# Altium PCB ALTAIR_PD_Soldier_V26.1a.PcbDoc (part 2 of 2) (continued)
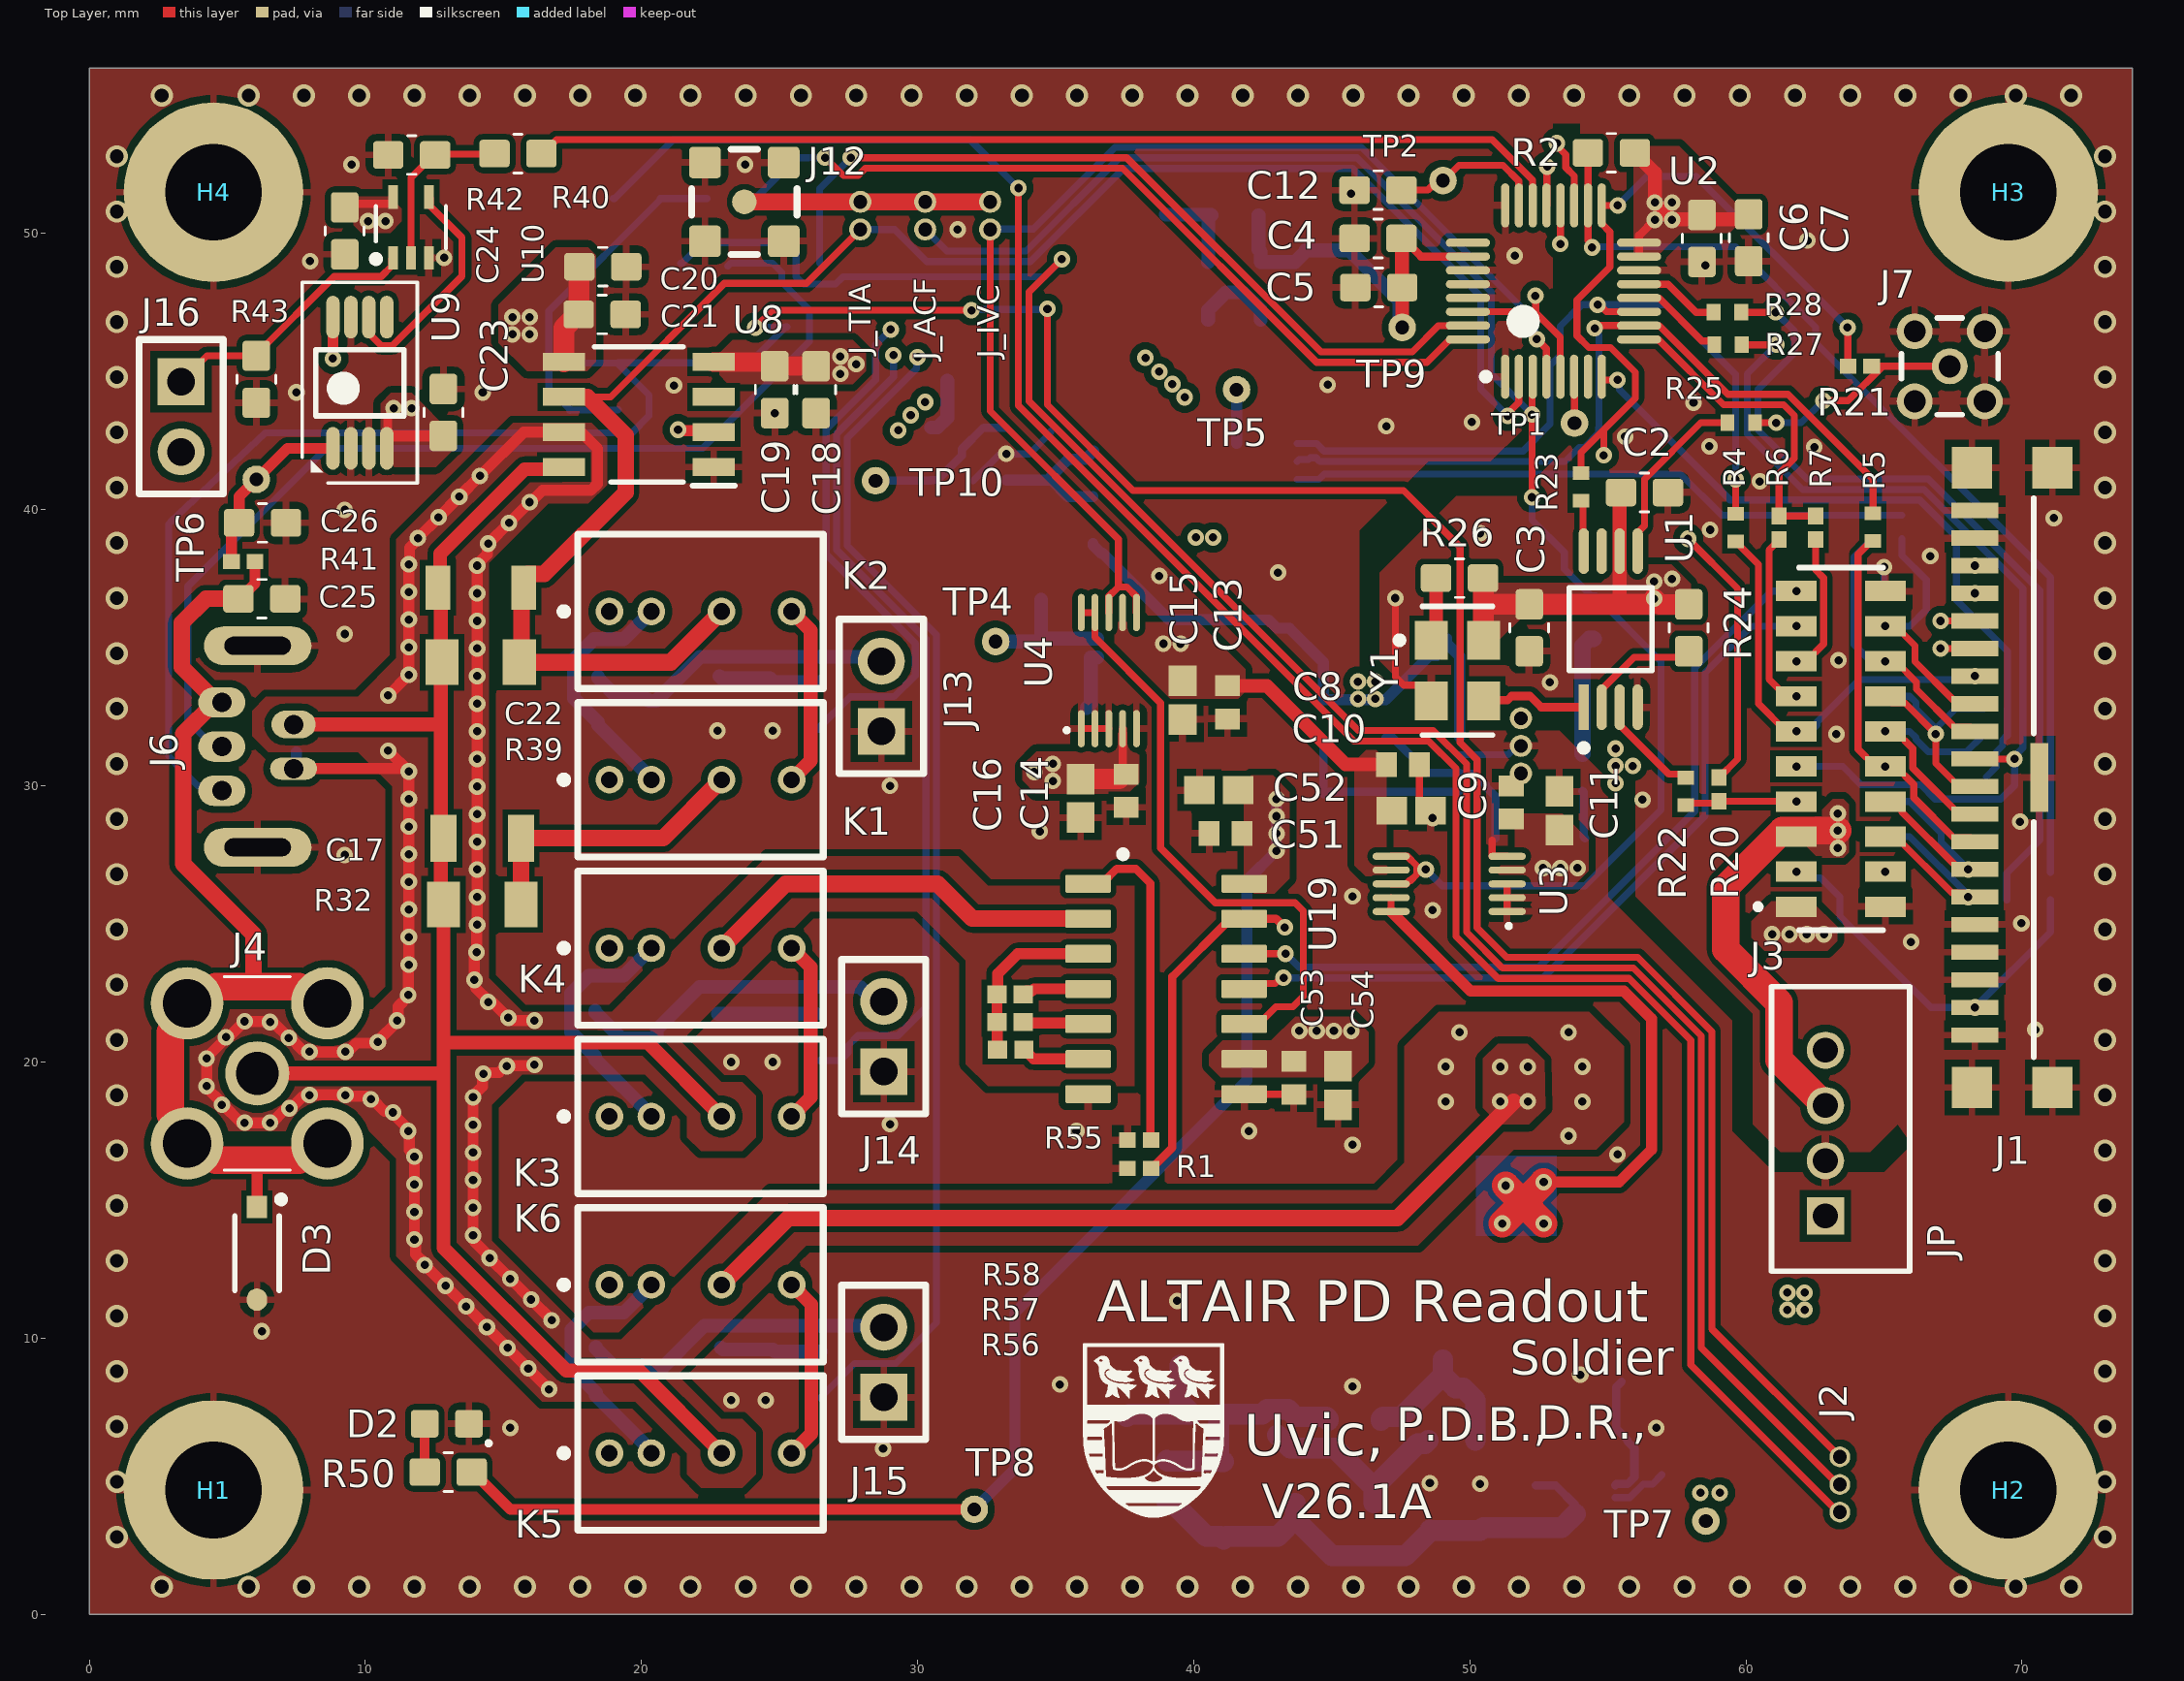
[diagram p0: Top Layer view]
## Nets (pads, with @x,y where several pads share a name; then routed paths per layer and width w, separated by ;. In a path a pad name is that pad's centre, name@x,y a point inside that pad or via, vN(x,y) a via of type N, cw(c..) or ccw(c..) an arc to the next point about the centre after c; other vN are vias at no path point) (continued)
NetR26_1: R26.1 Y1.1 | length 2.3
  Top Layer w0.254: Y1.1@48.6,35.275 Y1.1@48.775,35.45 ; R26.1@48.725,37.475 R26.1@48.775,37.425
  Top Layer w0.5: Y1.1@48.775,35.45 R26.1@48.775,37.425
NetR27_1: R27.1 U2.12 | length 3.4
  Top Layer w0.254: U2.12@56.129,47.671 56.138,47.662 56.859,47.662 58.408,46.114 58.727,46.114 58.85,45.991 R27.1@58.85,45.975
NetR28_1: R28.1 U2.13 | length 3.1
  Top Layer w0.254: U2.13@56.129,48.171 56.138,48.162 57.182,48.162 58.194,47.15 R28.1@58.825,47.15
NetR30_1: R30.1 R31.1 U5.1 | length 3.7
  Bottom Layer w0.5: U5.1@22.825,33.975 22.9,33.9 24.65,33.9 R31.1@24.8,33.75 R30.1@26.425,33.75
NetR30_2: R30.2 U2.19 | length 56.9
  Top Layer w0.254: v1(53.15,53.275) 53.15,53.181 53.471,52.86 53.471,52.393 53.779,52.085 U2.19@53.779,51.021
  Layer 1 w0.254: v1(29.025,46.525) 29.075,46.575 36.253,46.575 39.903,42.925 44.225,42.925 46.75,45.45 52.615,45.45 53.072,45.907 53.072,48.84 52.153,49.759 52.153,52.693 52.669,53.209 53.084,53.209 v1(53.15,53.275)
  Bottom Layer w0.254: R30.2@26.425,32.05 26.425,32.1 27.563,33.238 29.154,33.238 29.919,34.003 29.919,35.156 26.688,38.387 26.688,42.916 28.477,44.704 28.477,45.98 29.022,46.525 v1(29.025,46.525)
NetR34_1: R34.1 R35.1 U6.1 | length 3.5
  Bottom Layer w0.5: U6.1@22.775,21.75 24.675,21.75 R34.1@26.3,21.75
NetR34_2: R34.2 U2.20 | length 63.5
  Top Layer w0.254: v1(53.275,49.625) 53.277,49.627 53.277,51.019 U2.20@53.279,51.021
  Layer 1 w0.254: v1(29.125,45.6) 29.125,45.645 29.674,46.194 36.095,46.194 39.745,42.544 44.383,42.544 46.908,45.069 52.773,45.069 53.453,45.749 53.453,48.998 53.341,49.11 53.341,49.559 v1(53.275,49.625)
  Bottom Layer w0.254: R34.2@26.325,20.05 27.206,20.05 27.487,20.331 27.487,20.6 27.845,20.959 29.285,20.959 30.3,21.974 30.3,35.314 27.069,38.545 27.069,42.758 29.125,44.814 v1(29.125,45.6)
NetR37_1: R37.1 R38.1 U7.1 | length 3.7
  Bottom Layer w0.5: U7.1@22.875,9.65 22.937,9.588 24.762,9.588 R38.1@24.825,9.525 R37.1@26.5,9.525
NetR37_2: R37.2 U2.21 | length 79.3
  Top Layer w0.254: U2.21@52.779,51.021 52.788,51.03 52.788,52.413 v1(52.8,52.425)
  Layer 1 w0.254: v1(30,45.525) 30.034,45.525 30.322,45.813 35.937,45.813 39.587,42.163 44.541,42.163 47.066,44.688 52.931,44.688 53.834,45.591 53.834,47.549 55.072,48.787 55.072,50.153 v1(52.8,52.425)
  Bottom Layer w0.254: R37.2@26.5,7.825 26.5,7.875 27.711,9.086 29.207,9.086 30.681,10.56 30.681,35.472 27.45,38.703 27.45,42.6 29.96,45.11 29.96,45.485 v1(30,45.525)
NetR40_1: R40.1 R42.1 U10.2 | length 6.3
  Top Layer w0.254: U10.2@11.65,49.125 11.65,52.025 12.475,52.85 R42.1@12.525,52.85 12.55,52.875 14.65,52.875 R40.1@14.675,52.9
NetR40_2: R40.2 U2.22 | length 37.6
  Top Layer w0.254: R40.2@16.375,52.9 16.425,52.9 16.929,53.404 50.81,53.404 52.27,51.944 52.27,51.03 U2.22@52.279,51.021
NetR48_1: R48.1 R52.2 U13.7 | length 6.7
  Bottom Layer w0.3: R48.1@44.7,31.425 R52.2@44.7,29.7 44.787,29.787 49.587,29.787 U13.7@49.625,29.825
NetR49_1: R49.1 R51.2 U14.4 | length 3.4
  Bottom Layer w0.5: R51.2@38.996,50.696 39.008,50.684 40.633,50.684 R49.1@40.646,50.671 40.527,50.552 40.527,48.978 U14.4@40.521,48.971
NetR54_2: R54.2 U13.6 | length 1.8
  Bottom Layer w0.3: U13.6@54.075,29.825 54.125,29.775 54.125,28.15 R54.2@54.175,28.1
NetR55_1: R55.1 U19.1 | length 12
  Top Layer w0.3: U19.1@36.175,26.46 36.675,26.46 37.215,27 37.9,27 38.425,26.475 R55.1@38.425,17.175
NetR56_1: R56.1 R57.1 R58.1 U19.3 | length 6.3
  Top Layer w0.4: R58.1@32.875,22.45 R57.1@32.875,21.446 32.888,21.433 32.888,20.453 R56.1@32.9,20.441 ; R58.1@32.899,22.45 32.899,23.199 33.62,23.92 U19.3@36.175,23.92
NetR56_2: R56.2 U19.6 | length 2.5
  Top Layer w0.4: R56.2@33.85,20.441 33.875,20.441 34.206,20.11 U19.6@36.175,20.11
NetR57_2: R57.2 U19.5 | length 2.4
  Top Layer w0.4: R57.2@33.825,21.446 33.858,21.413 36.142,21.413 U19.5@36.175,21.38
NetR58_2: R58.2 U19.4 | length 2.4
  Top Layer w0.4: R58.2@33.825,22.45 33.95,22.575 34.134,22.575 34.209,22.65 U19.4@36.175,22.65
NetTP1_1: TP1.1 U2.6 | length 1.8
  Top Layer w0.254: U2.6@53.779,44.821 53.788,44.812 TP1.1@53.788,43.137 53.788,43.112 TP1.1@53.825,43.075
NetU1_1: U1.1 Y1.3 | length 3.9
  Top Layer w0.3: Y1.3@50.5,33.075 50.536,33.111 51.374,33.111 51.517,33.254 52.183,33.254 52.587,32.85 U1.1@54.125,32.85
NetU4_9: U4.9 U4.10 U19.10 | length 21.8
  Top Layer w0.254: U4.10@35.925,36.275 U4.9@36.425,36.275 36.425,35.375 38.8,33 38.8,27.75 40.781,25.769 43.671,25.769 43.972,25.468 43.972,22.382 43.593,22.003 42.978,22.003 42.553,21.578 42.023,21.578 U19.10@41.825,21.38
NetU9_6: U9.6 U10.4 | length 8.5
  Top Layer w0.254: U9.6@10.125,46.975 10.125,46.391 10.57,45.946 10.98,45.946 13.5,48.466 13.5,49.85 12.348,51.002 12.348,51.277 U10.4@12.3,51.325
PD_A: C17.1 C22.1 J4.1 J6.2 K3.3 K5.3 R32.1 R39.1 U8.8 | length 67.5
  Top Layer w0.5: J4.1@6.085,19.59 12.729,19.59 12.832,19.487 ; J6.2@7.4,32.225 12.732,32.225 ; U8.8@17.188,41.545 17.113,41.47 15.77,41.47 12.708,38.408 12.708,37.25 C22.1@12.632,37.174 12.732,37.074 12.732,34.475 12.732,32.225 ; K5.3@22.898,5.837 19.91,8.825 17.275,8.825 12.832,13.268 12.832,19.487 ; K3.3@22.898,18.029 20.227,20.7 12.832,20.7 ; 12.732,32.225 12.732,25.805 R32.1@12.832,25.705 12.832,20.7 ; 12.832,19.487 12.832,20.7
PD_K: C25.2 D3.1 J4.2 J4.3 J4.4 J4.5 J6.1 R41.2 | length 38.1
  Top Layer w0.4: C25.2@5.45,36.775 6,37.325 R41.2@6,38.125 ; D3.1@6.075,14.755 6.075,16.44
  Top Layer w0.6: C25.2@5.4,36.775 4.225,36.775 3.35,35.9 3.35,34.31 4.635,33.025 J6.1@4.8,33.025 4.539,33.025 3.396,31.882 3.396,27.179 5.95,24.625 5.95,22.725
  Top Layer w1: 6.075,16.44 6.085,16.45 ; J4.3@8.625,17.05 8.185,17.05 7.585,16.45 6.085,16.45 ; J4.2@8.625,22.13 8.185,22.13 7.59,22.725 5.95,22.725 4.58,22.725 3.985,22.13 J4.4@3.545,22.13 3.545,21.69 2.935,21.08 2.935,18.1 3.545,17.49 J4.5@3.545,17.05 3.985,17.05 4.585,16.45 6.085,16.45
SPI_MISO: J1.10 J3.09 J5.12 R27.2 | length 34.5
  Top Layer w0.254: R27.2@59.85,45.975 v1(61.1,45.975) ; J1.10@68.291,30.975 v1(69.725,30.975)
  Bottom Layer w0.254: v1(61.1,45.975) 60.05,44.925 60.05,42.736 62.051,40.735 66.446,40.735 70.029,37.152 70.029,31.373 69.725,31.069 v1(69.725,30.975) 69.725,30.014 69.232,29.521 66.852,29.521 66.334,30.039 64.168,30.039 63.502,30.705 v1(61.824,30.705)
SPI_MOSI: J1.13 J3.10 J5.11 R5.1 | length 13.7
  Top Layer w0.254: R5.1@64.6,38.875 64.55,38.875 64.059,38.384 64.059,31.327 64.682,30.705 65.418,30.705 66.075,30.048 66.075,29.575 67.527,28.123 68.143,28.123 J1.13@68.291,27.975
  other v1: 65.05,30.705
SPI_SCLK: J1.7 J3.11 J5.10 R4.1 | length 15.4
  Top Layer w0.254: R4.1@59.625,38.85 59.675,38.85 59.798,38.727 59.798,38.677 60.453,38.022 60.453,32.978 61.456,31.975 v1(61.824,31.975)
  Bottom Layer w0.254: v1(61.824,31.975) 62.35,31.975 62.573,32.198 62.573,32.316 64.106,33.849 68.071,33.849 68.197,33.975 v1(68.291,33.975)
STRT1: J1.12 J3.12 J5.9 R17.1 | length 9
  Top Layer w0.254: v1(65.05,31.975) 65.418,31.975 66.041,31.353 66.041,30.651 67.716,28.975 J1.12@68.291,28.975
  Bottom Layer w0.254: v1(65.05,31.975) 65.93,31.975 66.153,31.752 66.153,31.686 66.607,31.232 67.982,31.232 68.575,31.825 R17.1@68.6,31.825
STRT2: J1.11 J3.14 J5.7 R18.1 | length 9.2
  Top Layer w0.254: J3.14@65.05,33.245 65.291,33.004 65.75,33.004 v1(66.875,31.879) 66.875,30.816 J1.11@67.716,29.975
  Bottom Layer w0.254: J5.7@65.22,33.245 65.93,33.245 66.153,33.022 66.153,32.797 v1@66.875,32.075 ; v1(66.875,31.879) v1@66.875,32.075 ; R18.1@68.625,32.8 67.6,32.8 v1@66.875,32.075
SYS_DVDD: C2.2 C3.2 C6.2 C7.2 J3.05 J5.16 JP.3 R2.1 R24.2 R26.2 U1.6 U2.15 U2.16 Y1.4 | length 51
  Top Layer w0.3: U2.15@56.129,49.171 56.129,49.929 v1(56.7,50.5)
  Top Layer w0.5: 55.425,36.575 U1.6@55.425,38.5 55.425,40.575 C2.2@55.475,40.625 ; R2.1@55.975,52.925 56.025,52.925 56.275,52.675 56.275,52.625 56.7,52.2 v1(56.7,51.125) v1(57.325,50.5) 57.344,50.519 59.919,50.519 C7.2@60.1,50.7 ; v1(56.7,50.5) v1(57.325,51.125)
  Top Layer w0.75: R26.2@50.475,37.525 50.488,37.512 50.488,36.4 ; Y1.4@50.5,35.275 50.488,35.287 50.488,36.4 ; R24.2@57.925,36.575 57.921,36.571 56.879,36.571 v1(56.675,36.775) 56.475,36.575 55.425,36.575 C3.2@52.15,36.575 50.663,36.575 50.488,36.4
  Top Layer w1: JP.3@62.875,18.425 62.854,18.425 61.2,20.079 61.2,22.15 59.275,24.075 59.275,26.338 61.312,28.375 v1(63.325,28.375)
  Layer 2 w1: v1(56.675,37.4) v1(56.675,36.775) 56.675,32.675 60.935,28.415 63.285,28.415 v1(63.325,28.375) ; v1(63.325,27.75) v1(63.325,29)
  other v1: 57.325,37.5
SYS_GND: C2.1 C3.1 C4.1 C5.1 C6.1 C7.1 C8.1 C9.1 C10.1 C11.1 C12.1 C13.1 C14.1 C15.1 C16.1 C18.1 C19.1 C20.1 C21.1 C23.1 C24.1 C25.1 C26.1 C28.2 C30.2 C31.1 C32.2 C33.2 C34.2 C35.1 C36.1 C37.1 C38.1 C39.1 C40.1 C41.1 C42.1 C43.1 C44.1 C45.1 C46.1 C47.1 C48.1 C49.1 C50.1 C51.1 C52.1 C53.1 C54.1 D1.1 D2.1 D3.2 H1.1 H2.1 H3.1 H4.1 J1.1 J1.2 J1.16 J1.17 J1.18 J1.20 J1.MP1 J1.MP2 J1.MP3 J1.MP4 J1.MP5 J3.02 J3.20 J5.1 J5.19 J6.6 J7.2 J7.3 J7.4 J7.5 J12.2 J13.1 J14.1 J15.1 JP.2 R1.1 R14.2 R19.2 R31.2 R35.2 R38.2 R42.2 R43.2 R45.2 R47.1 R51.1 R52.1 R53.1 R54.1 R55.2 R60.1 U1.4 U2.1 U2.14 U2.24 U2.27 U2.28 U2.29 U3.1 U3.2 U3.3 U3.5 U4.1 U4.2 U4.3 U4.5 U5.2 U6.2 U7.2 U8.1 U9.2 U9.3 U9.7 U10.3 U11.6 U11.9 U12.2 U13.9 U13.13 U14.2 U15.2 U16.4 U17.5 U19.7 U19.8 Y1.2 | length 20.3
  Top Layer w0.254: U4.1@35.925,32.075 U4.3@36.925,32.075 ; U19.8@41.825,18.84 41.832,18.833 43.617,18.833 C53.1@43.625,18.825 ; v1(47.3,36.8) 47.3,33.95 47.602,33.648 48.127,33.648 48.6,33.175 Y1.2@48.6,33.075 ; C8.1@48.175,30.775 48.175,29.476 48.551,29.1 C10.1@48.576,29.1 ; 50.802,28.044 50.802,27.452 50.804,27.45 U3.5@51.35,27.45 ; U3.1@51.35,25.45 U3.3@51.35,26.45
  Bottom Layer w0.254: 32.005,41.05 32.98,42.025 v1(33.215,42.025) 34.05,42.025 34.825,42.8 C40.1@34.825,42.85 ; U13.9@49.625,31.125 51.377,31.125 51.702,31.45 U13.13@51.85,31.45 ; U11.9@55.266,4.225 55.79,4.225 56.279,4.714 56.614,4.714 C28.2@56.95,5.05 ; v1(65,37.925) 65,37.275 J5.1@65.22,37.055
  other v1: 50.375,4.725 48.55,4.75 28.75,6 15.25,6.75 56.75,6.75 23.25,7.75 24.5,7.75 45.75,8.25 35.15,8.325 54,8.675 6.25,10.25 39.4,11.35 55.35,16.65 45.75,17 35.75,17.5 42,17.5 29,17.75 23.25,20 24.75,20 70.475,21.175 65.975,24.35 69.975,25.025 48.65,25.5 45.75,26 9.25,27.5 34.425,28.35 69.925,28.7 48.652,28.832 56.25,29.5 29,30 63.275,31.875 22.75,32 24.75,32 52.9,33.75 63.35,34.55 9.25,35.5 38.75,37.6 43.05,37.725 66.675,38.325 50.375,39.15 58.7,39.275 71.15,39.7 9.25,40 60.5,41.025 62.475,42.275 58.675,42.3 55.625,42.65 46.975,43.025 50.075,43.175 24.825,43.5 58.1,43.875 7.5,44.25 14.25,44.25 21.175,44.5 44.85,44.525 58.527,48.848 8,49 12.85,49.125 51.625,49.2 62.225,49.75 31.45,50.15 45.698,51.448 9.5,52.5 23.75,52.5
  other v2: 2.625,1 5.775,1 7.775,1 9.775,1 11.775,1 13.775,1 15.775,1 17.775,1 19.775,1 21.775,1 23.775,1 25.775,1 27.775,1 29.775,1 31.775,1 33.775,1 35.775,1 37.775,1 39.775,1 41.775,1 43.775,1 45.775,1 47.775,1 49.775,1 51.775,1 53.775,1 55.775,1 57.775,1 59.775,1 61.775,1 63.775,1 65.775,1 67.775,1 69.775,1 71.775,1 1,2.8 73,2.8 1,4.8 73,4.8 1,6.8 73,6.8 1,8.8 73,8.8 1,10.8 73,10.8 1,12.8 73,12.8 1,14.8 73,14.8 1,16.8 73,16.8 1,18.8 73,18.8 1,20.8 73,20.8 1,22.8 73,22.8 1,24.8 73,24.8 1,26.8 73,26.8 1,28.8 73,28.8 1,30.8 73,30.8 1,32.8 73,32.8 1,34.8 73,34.8 1,36.8 73,36.8 1,38.8 73,38.8 1,40.8 73,40.8 1,42.8 73,42.8 1,44.8 73,44.8 1,46.8 73,46.8 1,48.8 73,48.8 1,50.8 73,50.8 1,52.8 73,52.8 2.625,55 5.775,55 7.775,55 9.775,55 11.775,55 13.775,55 15.775,55 17.775,55 19.775,55 21.775,55 23.775,55 25.775,55 27.775,55 29.775,55 31.775,55 33.775,55 35.775,55 37.775,55 39.775,55 41.775,55 43.775,55 45.775,55 47.775,55 49.775,55 51.775,55 53.775,55 55.775,55 57.775,55 59.775,55 61.775,55 63.775,55 65.775,55 67.775,55 69.775,55 71.775,55
SYS_VBAT: C31.2 C43.2 C44.2 J3.01 J5.20 JP.1 L1.1 U12.4 U12.5 U13.1 U13.2 U13.3 U13.4 | length 4.4
  Bottom Layer w0.6: U13.4@54.075,31.175 U13.3@54.075,31.775 U13.2@54.075,32.425 U13.1@54.075,33.075 54.075,35.075 54.325,35.325 C44.2@54.475,35.325
  other v1: 61.5,11.025 62.125,11.025 61.5,11.65 62.125,11.65 60.95,24.625 61.575,24.625 62.2,24.625 62.825,24.625 55.275,30.1 55.275,30.725 55.9,30.725 55.275,31.35
TMP_COM: C1.1 J2.3 J6.5 NTC1.1 R14.1 | length 114.6
  Top Layer w0.254: v1(24.125,46.6) 24.75,47.225 v1(31.95,47.225) ; v1(34.7,47.275) 34.7,43.803 37.803,40.7 47.6,40.7 49.646,38.654 49.646,31.566 50.262,30.95 50.262,24.866 51.337,23.791 56.079,23.791 58.762,21.108 58.762,10.338 J2.3@63.4,5.7
  Bottom Layer w0.254: J6.5@4.8,29.825 4.638,29.987 3.947,29.987 3.15,30.783 3.15,30.8 2.875,31.075 2.875,39.484 2.949,39.558 2.952,39.561 6.366,42.781 19.646,42.781 20.275,43.41 20.275,44.154 C1.1@19.154,45.275 ; NTC1.1@17.4,45.3 17.413,45.312 19.141,45.312 C1.1@19.154,45.325 23.925,45.325 25.225,46.625 R14.1@25.275,46.625 25.263,46.613 24.137,46.613 v1(24.125,46.6) ; v1(31.95,47.225) 31.975,47.25 34.675,47.25 v1(34.7,47.275)
VBIAS: TP5.1 U2.5 U2.30 U9.8 U17.6 | length 56.8
  Top Layer w0.254: U2.30@49.929,47.171 52.354,47.171 ; v1(52.375,47.75) 52.384,47.741 52.384,47.201 52.354,47.171 ; U2.5@53.279,44.821 53.27,44.83 53.27,46.255 52.354,47.171
  Top Layer w0.4: v1(8.825,45.475) U9.8@8.825,46.975
  Layer 1 w0.4: v1(8.825,45.475) 11.425,48.075 37.825,48.075 TP5.1@41.55,44.35 43.641,44.35 47.041,47.75 v1(52.375,47.75)
  Bottom Layer w0.4: U17.6@41.55,42.4 TP5.1@41.55,44.35
pads on no net: U1.7 U2.7 U2.25 U8.3 U9.5 U11.4 U11.7 U13.5 U16.1 U16.3 U16.7 U16.8

## Polygon pours and split planes (outlines as drawn)
no net on Top Solder "NONET_LTS_P001" (solid): 0,33.9 0,0.15 0.15,0 74,0 74,56 0,56 0,33.9 1.8,33.9 1.8,3.5 3.775,1.525 69.775,1.525 72.175,3.5 72.175,51.525 69.775,54.075 4.325,54.075 1.775,51.525 1.801,33.9
no net on Top Solder "NONET_LTS_P003" (solid, pour order 5): 17.8,20.7 21.375,20.7 26.11,25.435 29.96,25.435 31.75,23.645 31.75,19.91 32.535,19.125 37.85,19.125 37.85,26.375 32.55,26.375 31.475,27.45 24.55,27.45
no net on Top Solder "NONET_LTS_P002" (solid, pour order 31): 15.35,43.15 18.2,43.15 18.75,42.6 18.75,40.9 18.075,40.225 16.625,40.225 14.475,38.075 14.475,23.05 15.7,21.825 20.35,21.825 22.9,19.275 23.65,19.275 24.15,18.775 24.15,17.275 23.65,16.775 22.15,16.775 21.65,17.275 21.65,18.025 20.125,19.55 15.675,19.55 14.575,18.45 14.575,13.525 18.15,9.95 20.025,9.95 22.9,7.075 23.65,7.075 24.15,6.575 24.15,5.075 23.65,4.575 22.15,4.575 21.65,5.075 21.65,5.825 19.775,7.7 16.4,7.7 11.125,12.975 11.125,16.5 10.125,17.5 4.625,17.5 3.3,18.825 3.3,20.65 4.55,21.9 5.225,21.9 10.25,21.9 10.975,22.625 10.975,29.975 9.725,31.225 6.475,31.225 5.9,31.8 5.9,32.725 6.4,33.225 9.725,33.225 11.125,34.625 11.125,38.925
no net on Top Solder "NONET_LTS_P004" (solid, pour order 9): 24.675,15.35 46.625,15.35 47.625,16.35 47.625,20.575 48.875,21.825 54.325,21.825 55.575,20.575 55.575,17.825 54.575,16.825 51.6,16.825 48.125,13.35 25.975,13.35 21.25,8.625 17.95,8.625
no net on Bottom Solder "NONET_LBS_P003" (solid): 6.4,33.225 5.9,32.725 5.9,31.8 6.475,31.225 8.525,31.225 9.075,31.775 9.075,32.675 8.525,33.225
no net on Bottom Solder "NONET_LBS_P004" (solid): 3.545,22.13 8.625,22.13 8.625,17.05 3.545,17.05
no net on Bottom Solder "NONET_LBS_P002" (solid, pour order 14): 48.875,21.825 54.325,21.825 55.575,20.575 55.575,17.825 54.575,16.825 48.625,16.825 47.625,17.825 47.625,20.575
no net on Bottom Solder "NONET_LBS_P001" (solid): 0,34.373 0,0.15 0.15,0 74,0 74,56 -0.044,56 0.031,34.375 1.8,34.325 1.8,3.5 3.775,1.525 69.825,1.525 72.225,4.35 72.225,50.775 69.825,54.075 4.325,54.075 1.775,51.525 1.8,34.325
GUARD on Bottom Layer "GUARD_L04_P003" (solid, pour order 53): 3.545,22.13 8.625,22.13 8.625,17.05 3.545,17.05
GUARD on Bottom Layer "GUARD_L04_P002" (solid, pour order 50): 6.4,33.225 5.9,32.725 5.9,31.8 6.475,31.225 8.525,31.225 9.075,31.775 9.075,32.675 8.525,33.225
SYS_GND on Bottom Layer "SYS_GND_L04_P001" (solid, remove dead copper, pour order 54): 74,0 74,56 0,56 0,0
-15V on Bottom Layer "-15V_L04_P001" (solid, pour order 26): 55.275,3.825 55.275,2.75 55.525,2.5 58.675,2.5 59.525,3.35 59.525,4.575 59.175,4.925 58.35,4.925 57.425,4 55.45,4
SYS_VBAT on Bottom Layer "SYS_VBAT_L04_P003" (solid, pour order 22): 47.05,12.5 44.425,9.875 44.425,9.4 44.8,9.025 46.95,9.025 47.625,9.7 47.625,10.5 48.225,11.1 49.95,11.1 51,10.05 62.175,10.05 62.875,10.75 62.875,11.925 62.3,12.5 59,12.5
SYS_DVDD on Bottom Layer "SYS_DVDD_L04_P001" (solid, pour order 44): 63.725,27.6 63.45,27.325 62.525,27.325 62.05,27.8 62.05,28.425 63.15,29.525 63.525,29.525 63.725,29.325
7V5 on Bottom Layer "7V5_L04_P003" (solid, pour order 37): 31.675,44.65 31.675,43.4 30.7,42.425 29.1,42.425 28.775,42.75 28.775,42.95 30.775,44.95 31.375,44.95
7V5 on Bottom Layer "7V5_L04_P002" (solid, pour order 36): 39.843,47.725 40.521,47.047 40.521,44.171 40,43.65 39.3,43.65 36.55,46.4 36.55,47.325 36.95,47.725
7V5 on Bottom Layer "7V5_L04_P001" (solid, pour order 2): 50.325,31.65 48.8,31.65 47.925,32.525 44.65,32.525 44.05,33.125 44.05,34.35 42.7,35.7 41.1,35.7 41.075,35.725 41.1,35.75 41.1,36.325 43.575,36.325 45.525,34.375 47.375,34.375 48.95,35.95 49.6,35.95 50.375,35.175 50.375,33.65
A5V on Bottom Layer "A5V_L04_P002" (solid, pour order 32): 39.5,38.875 39.5,40.05 40.675,41.225 41.675,41.225 42.275,40.625 42.275,39.225 41.4,38.35 40.025,38.35
A5V on Bottom Layer "A5V_L04_P001" (solid, pour order 27): 35.1,36.75 35.75,36.1 35.75,35.875 36.295,35.33 35.94,34.975 33.6,34.975 33.275,34.65 32.5,34.65 32.2,34.95 32.2,35.375 33.575,36.75
SYS_VBAT on Bottom Layer "SYS_VBAT_L04_P001" (solid, pour order 3): 53.313,31.075 53.313,34.208 51.743,34.208 51.126,34.825 51.126,35.325 51.651,35.85 54.925,35.85 55.276,35.499 55.276,34.801 54.683,34.208 54.683,32.592 56.225,31.05 56.225,30.3 55.675,29.75 55.15,29.75 53.825,31.075
SYS_VBAT on Bottom Layer "SYS_VBAT_L04_P002" (solid, pour order 20): 63.3,24.9 62.375,25.825 60.925,25.825 60.2,25.1 60.2,24.5 60.675,24.025 62.95,24.025 63.3,24.375
AVDD on Bottom Layer "AVDD_L04_P001" (solid, pour order 18): 42.346,50.671 42.346,48.454 43.125,47.675 45.75,47.675 46.8,46.625 46.8,46.425 47.2,46.025 47.875,46.025 48.1,46.25 48.1,47.525 45.875,49.75 43.6,49.75 42.675,50.675
A5VSW on Bottom Layer "A5VSW_L04_P001" (solid, pour order 17): 32.875,43.2 32.125,43.2 30.9,41.975 28.475,41.975 27.85,41.35 27.85,40.75 28.375,40.225 30.45,40.225 33.025,42.8 33.025,43.05
GUARD on Bottom Layer "GUARD_L04_P001" (solid, pour order 13): 48.875,21.825 54.325,21.825 55.575,20.575 55.575,17.825 54.575,16.825 48.625,16.825 47.625,17.825 47.625,20.575
NetJ10_1 on Bottom Layer "NETJ10_1_L04_P001" (solid, pour order 7): 52.695,20.055 52.09,20.66 51.01,20.66 50.475,20.125 50.475,18.35 51.085,17.74 52.14,17.74 52.73,18.33
-16V5 on Bottom Layer "-16V5_L04_P001" (solid, pour order 1): 53.175,3.875 53.175,3.625 53.175,2.775 51.575,2.475 49.875,2.475 49.875,3.575 52,3.875
SYS_GND on Top Layer "SYS_GND_L01_P001" (solid, remove dead copper, pour order 51): 0,0 74,0 74,17 66,17 65,16 61,16 59.5,17.5 59.5,21.5 55,26 55,30.25 53.25,32 48,32 46,34 46,39.25 48.5,41.75 50.75,41.75 53,44 53,54 54,54 54,56 0,56
SYS_GND on Top Layer "SYS_GND_L01_P002" (solid, remove dead copper, pour order 52): 74,56 53,56 53,54 54,54 54,42.75 51.75,40.5 49.5,40.5 46.725,37.725 46.725,34.525 48.25,33 54,33 56,31 56,26 60.25,21.75 60.25,17.75 61.25,16.75 64.5,16.75 65.5,17.75 66,17 74,17
-15V on Top Layer "-15V_L01_P004" (solid, pour order 46): 23.15,44.55 22.825,44.875 22.825,45.675 23.3,46.15 27.65,46.15 28.125,45.675 28.125,45.025 27.65,44.55
SYS_DVDD on Top Layer "SYS_DVDD_L01_P003" (solid, pour order 45): 63.525,29.525 63.15,29.525 62.05,28.425 62.05,27.939 62.589,27.4 63.525,27.4 63.725,27.6 63.725,29.325
SYS_DVDD on Top Layer "SYS_DVDD_L01_P002" (solid, pour order 12): 55.425,38.025 54.75,37.35 50.975,37.35 50.488,36.862 50.488,35.844 51.031,35.3 51.075,35.3 51.975,36.2 52.225,36.2 58,36.2 58,37.325 57.3,38.025
-15V on Top Layer "-15V_L01_P003" (solid, pour order 42): 51.95,29 53.35,29 54.3,28.05 54.3,26.925 53.725,26.35 51.5,26.35 51.025,26.825 51.025,27.125 51.625,27.725 51.625,28.675
-15V on Top Layer "-15V_L01_P002" (solid, pour order 41): 45.775,19.45 40.975,19.45 40.55,19.875 40.55,20.275 41.05,20.775 42.8,20.775 43.675,21.65 45.75,21.65 46.325,21.075 46.325,20
-15V on Top Layer "-15V_L01_P001" (solid, pour order 40): 37.625,29.725 38.025,30.125 38.025,31.475 37.425,32.075 36.6,31.25 34.3,31.25 33.8,30.75 33.8,30.2 34.275,29.725
7V5 on Top Layer "7V5_L01_P002" (solid, pour order 38): 18.025,45.025 15.85,45.025 14.825,46.05 14.825,47.425 16.9,49.5 18.075,49.5 18.35,49.225 18.35,45.35
A5V on Top Layer "A5V_L01_P002" (solid, pour order 34): 47.15,26.95 46.975,27.125 46.975,30.925 46.55,31.35 46.3,31.35 45.825,30.875 45.825,27.125 46.225,26.725 46.925,26.725
A5V on Top Layer "A5V_L01_P001" (solid, pour order 33): 37.125,35.925 40.175,35.925 41.875,34.225 41.875,33.425 41.6,33.15 39.15,33.15 37.125,35.175
GUARD on Top Layer "GUARD_L01_P003" (solid, pour order 8): 17.95,8.625 21.25,8.625 25.975,13.35 48.125,13.35 51.6,16.825 54.575,16.825 55.575,17.825 55.575,20.575 54.325,21.825 48.875,21.825 47.625,20.575 47.625,16.35 46.625,15.35 24.675,15.35
GUARD on Top Layer "GUARD_L01_P001" (solid, pour order 30): 15.35,43.15 18.2,43.15 18.75,42.6 18.75,40.9 18.075,40.225 16.625,40.225 14.475,38.075 14.475,23.05 15.7,21.825 20.35,21.825 22.9,19.275 23.65,19.275 24.15,18.775 24.15,17.275 23.65,16.775 22.15,16.775 21.65,17.275 21.65,18.025 20.125,19.55 15.675,19.55 14.575,18.45 14.575,13.525 18.15,9.95 20.025,9.95 22.9,7.075 23.65,7.075 24.15,6.575 24.15,5.075 23.65,4.575 22.15,4.575 21.65,5.075 21.65,5.825 19.775,7.7 16.4,7.7 11.125,12.975 11.125,16.5 10.125,17.5 4.625,17.5 3.3,18.825 3.3,20.65 4.55,21.9 5.225,21.9 10.25,21.9 10.975,22.625 10.975,29.975 9.725,31.225 6.475,31.225 5.9,31.8 5.9,32.725 6.4,33.225 9.725,33.225 11.125,34.625 11.125,38.925
A5VSW on Top Layer "A5VSW_L01_P001" (solid, pour order 15): 13.15,42.15 13.15,42.75 11.675,44.225 10.925,44.225 10.55,43.85 10.55,42.725 10.725,42.55 10.725,41.875 11.05,41.55 12.55,41.55
A5VSW on Top Layer "A5VSW_L01_P002" (solid, pour order 28): 10.9,50.025 11.325,50.45 11.325,50.888 10.863,51.35 9.7,51.35 9.575,51.225 9.575,50.3 9.85,50.025
SYS_VBAT on Top Layer "SYS_VBAT_L01_P001" (solid, pour order 21): 63.3,24.9 62.375,25.825 60.925,25.825 60.2,25.1 60.2,24.5 60.675,24.025 62.95,24.025 63.3,24.375
7V5 on Top Layer "7V5_L01_P001" (solid, pour order 19): 43.475,29.775 42.875,30.375 42.075,30.375 41.825,30.125 41.825,26.46 42.26,26.025 42.85,26.025 43.475,26.65
SYS_DVDD on Top Layer "SYS_DVDD_L01_P001" (solid, pour order 11): 59.6,51.15 57.575,53.175 56.525,53.175 55.925,52.575 55.925,49.175 56.8,49.175 57.65,50.025 59.4,50.025 59.6,50.225
GUARD on Top Layer "GUARD_L01_P002" (solid, pour order 4): 17.8,20.7 21.375,20.7 26.125,25.45 29.975,25.45 31.75,23.675 31.75,19.925 32.55,19.125 37.85,19.125 37.85,26.375 32.55,26.375 31.475,27.45 24.55,27.45
NetJ10_1 on Top Layer "NETJ10_1_L01_P001" (solid, pour order 6): 52.695,20.055 52.09,20.66 51.01,20.66 50.475,20.125 50.475,18.35 51.085,17.74 52.14,17.74 52.73,18.33
SYS_GND on Layer 2 "SYS_GND_L03_P001" (solid, remove dead copper, pour order 49): 0,0 74,0 74,56 0,56
7V5 on Layer 2 "7V5_L03_P001" (solid, pour order 39): 16,48.5 14.775,47.275 14.775,46.225 15.475,45.525 16.35,45.525 17.844,47.019 29.619,47.019 30.612,46.025 30.612,45.462 28.55,43.4 28.55,42.925 29,42.475 40.7,42.475 44.025,39.15 44.025,32.225 41.875,30.075 41.875,27.225 42.45,26.65 44.2,26.65 47.55,30 47.55,40.625 39.675,48.5
SYS_VBAT on Layer 2 "SYS_VBAT_L03_P001" (solid, pour order 25): 61.35,10.375 62.45,10.375 65.825,13.75 65.825,22.375 62.375,25.825 61.44,25.825 56.375,30.89 55.365,31.9 55.128,31.9 54.5,31.272 54.5,30.025 63.775,20.75 63.775,18.175 63.775,16.125 63.15,15.5 62.175,15.5 60.75,14.075 60.75,10.975
SYS_DVDD on Layer 2 "SYS_DVDD_L03_P001" (solid, pour order 43): 57.425,51.775 57.85,51.35 57.85,37 57.175,36.325 56.5,36.325 55.95,36.875 55.95,51.375 56.35,51.775
A5VSW on Layer 2 "A5VSW_L03_P001" (solid, pour order 16): 12.6,43.4 11.25,44.75 11.25,50.75 10.7,51.3 10.075,51.3 9.575,50.8 9.575,44.575 8.4,43.4 3.225,43.4 2.4,42.575 2.4,41.45 3.05,40.8 4.25,40.8 5.25,41.8 15.682,41.8 18.35,39.262 18.35,35.7 19.3,35.7 23.75,40.15 28.525,40.15 29.175,40.8 29.175,41.3 28.675,41.8 19.575,41.8 17.975,43.4
SYS_GND on Layer 1 "SYS_GND_L02_P001" (solid, remove dead copper, pour order 48): 0,0 74,0 74,56 0,56
-15V on Layer 1 "-15V_L02_P001" (solid, pour order 47): 58.75,2.55 60.425,4.225 60.425,22.05 58.625,23.85 58.625,25.575 55.925,28.275 49.375,28.275 43.625,22.525 43,22.525 41.225,24.3 41.225,26.95 36.45,31.725 33.6,31.725 31.2,34.125 31.2,37.025 27.675,40.55 27.675,43.8 28.5,44.625 28.5,45.85 27.8,46.55 26.725,46.55 26.25,46.075 26.25,39.5 29.8,35.95 29.8,33.25 33.7,29.35 35.75,29.35 39.75,25.35 39.75,23.625 43.05,20.325 45.775,20.325 50.15,24.7 54.95,24.7 56.95,22.7 56.95,6.5 56.05,5.6 56.05,3.725 57.225,2.55
A5V on Layer 1 "A5V_L02_P001" (solid, pour order 35): 39.4,39.65 36.05,36.3 32.675,36.3 31.925,35.55 31.925,34.85 32.35,34.425 40.15,34.425 41.925,36.2 41.925,39.025 41.3,39.65

## Silkscreen, mask and mechanical layers (free items; w line width, h text height)
Top Overlay:
  drawing of 4 lines, arcs and shapes, not listed
  text "ALTAIR PD Readout" at 36.5,10.6 h1.5
  text "Soldier" at 51.45,8.675 h1.25
  text "D.R.," at 52.425,6.354 h1.2
  text "P.D.B.," at 47.325,6.279 h1.2
  text "Uvic," at 41.825,5.75 h1.5
  text "V26.1A" at 42.475,3.475 h1.25

## Text inside footprints (layer, text, board x,y; h text height)
U15: Mechanical 13 "*" at 32.79,42.264 h1.27